# Altium PCB UAVPoS_V2_0.PcbDoc (part 2 of 3) (continued)
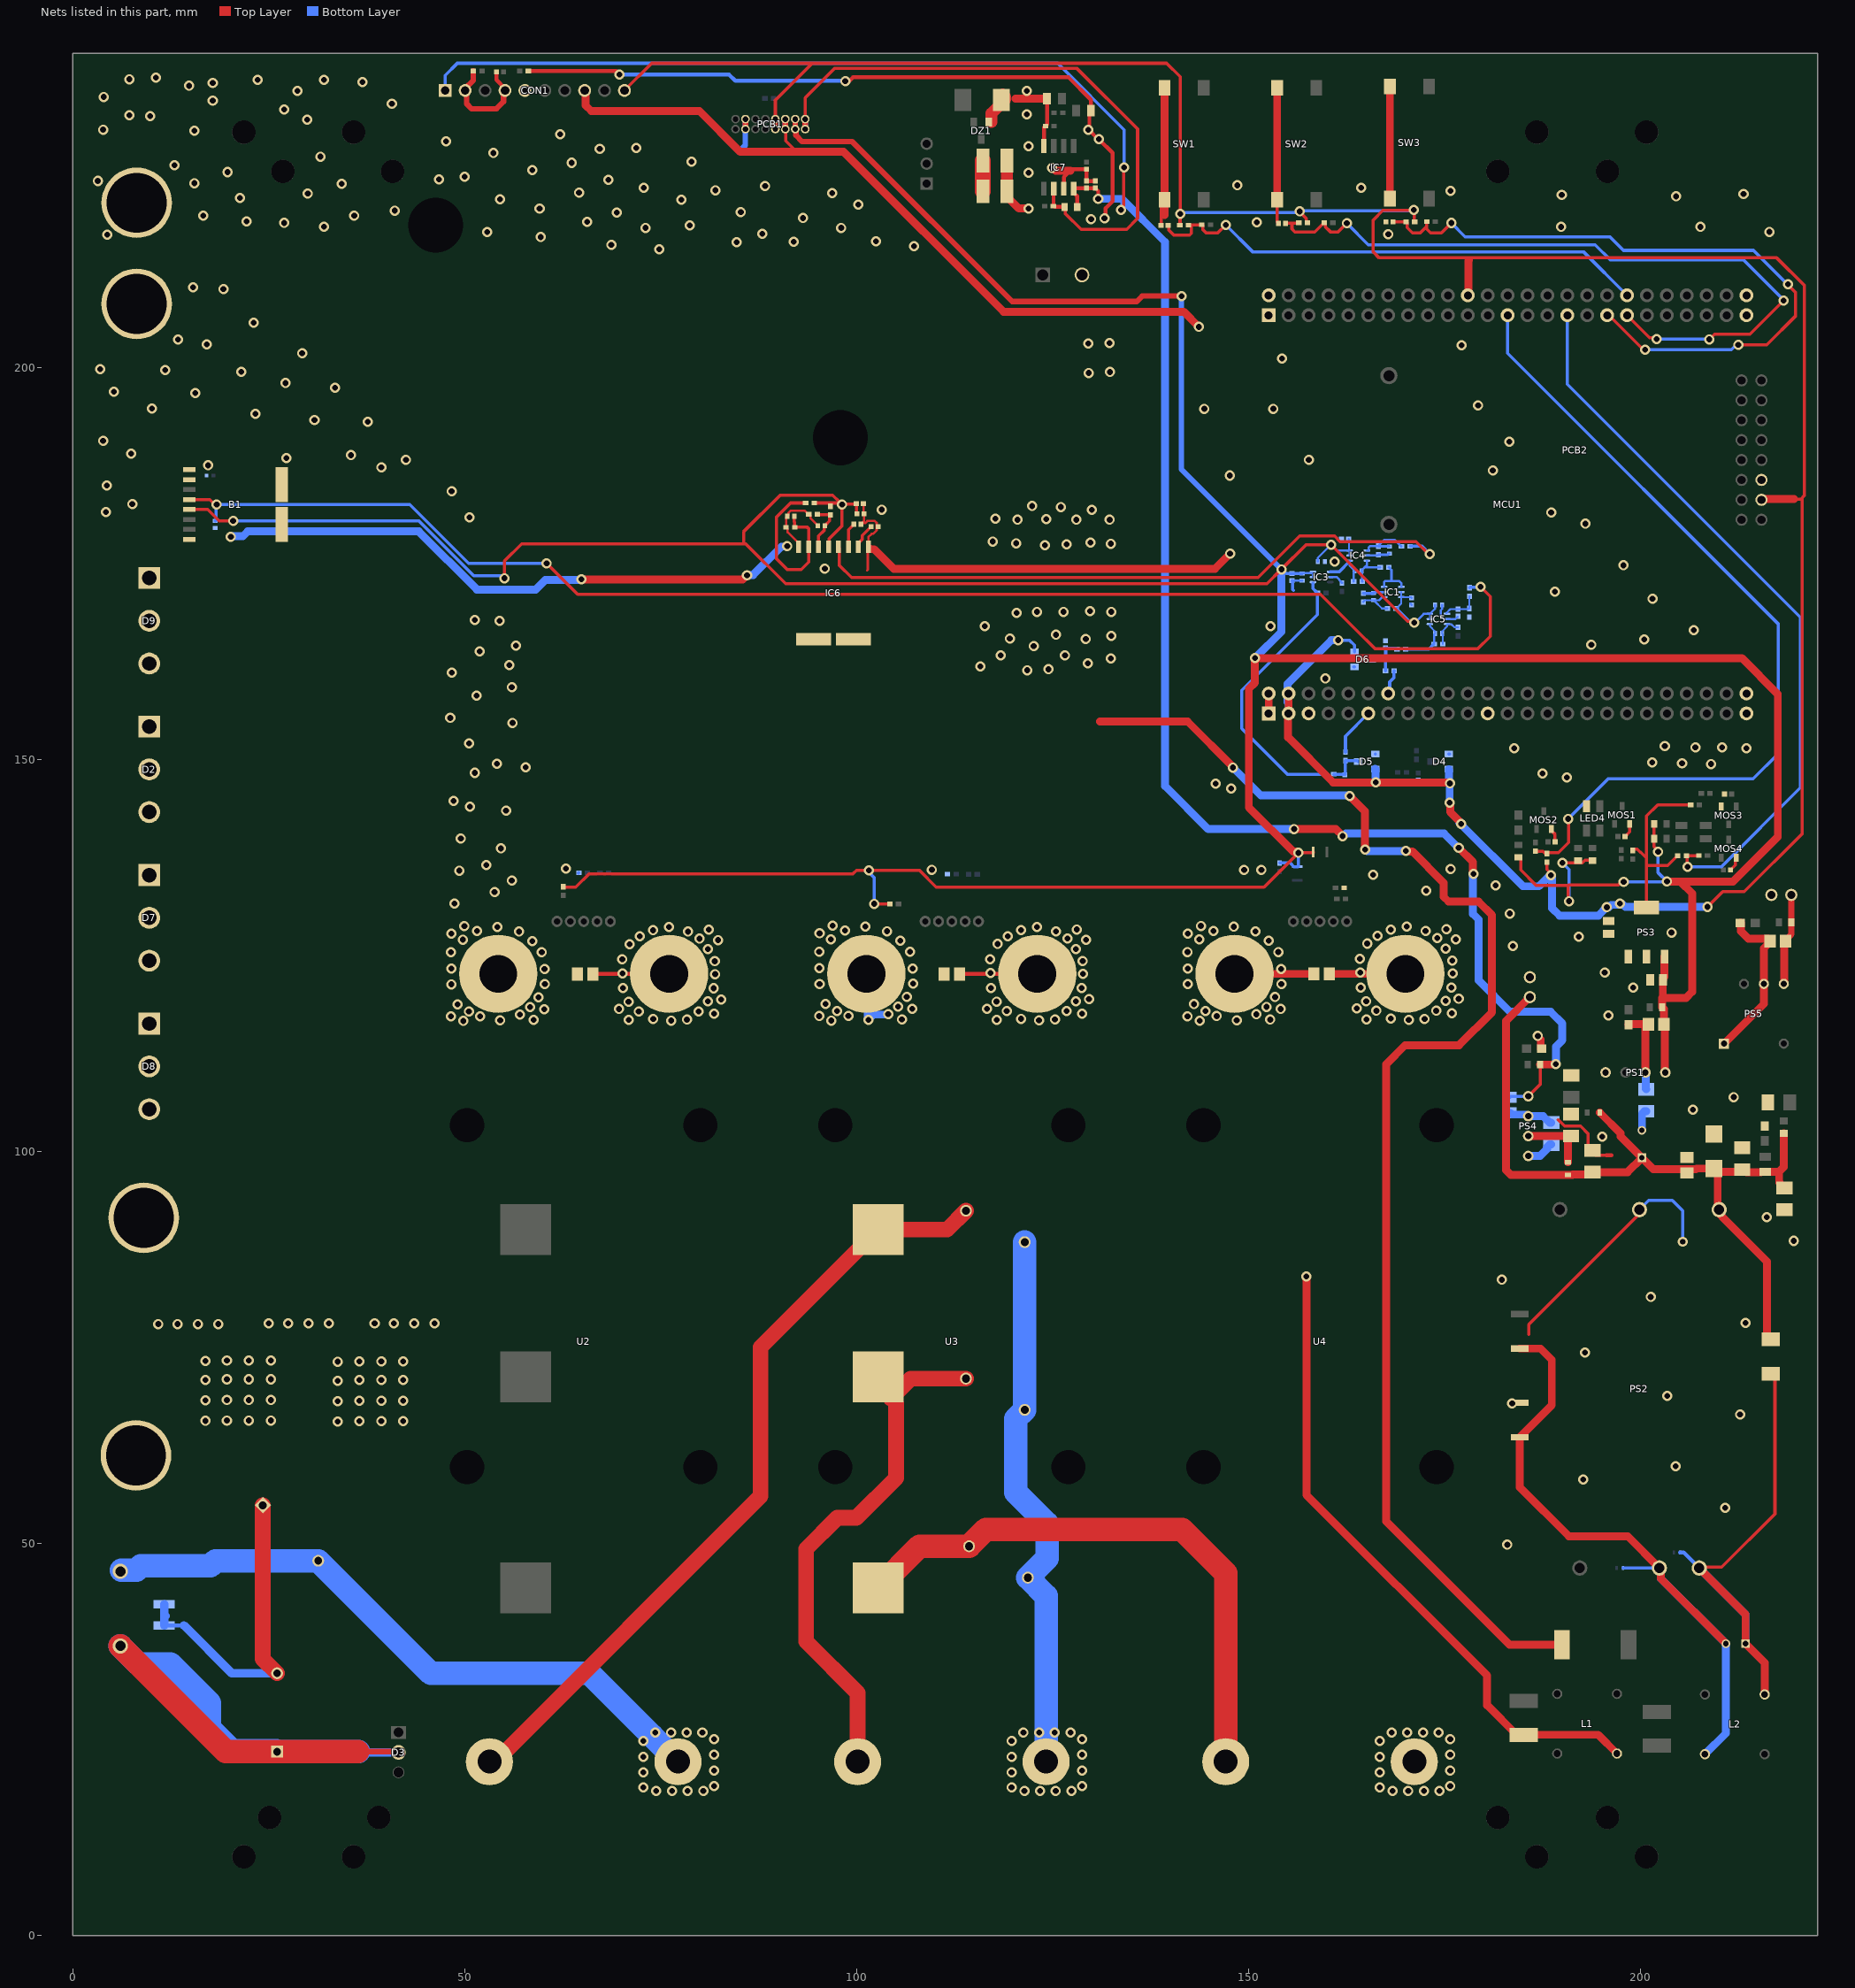
[diagram p2: the nets of this part, all layers, seen from the top]
## Nets (pads, with @x,y where several pads share a name; then routed paths per layer and width w, separated by ;. In a path a pad name is that pad's centre, name@x,y a point inside that pad or via, vN(x,y) a via of type N, cw(c..) or ccw(c..) an arc to the next point about the centre after c; other vN are vias at no path point)
1.5V: IC1.3 IC1.4 R32.1 | length 5.4
  Bottom Layer w0.3: IC1.3@167.25,171.997 167.25,172.572 167.426,172.747 168.2,172.747 ; R32.1@167.85,174.5 167.9,174.5 168.05,174.35 168.05,174.3 168.2,174.15 168.2,172.747 ; IC1.4@169.45,171.997 169.475,171.997 169.475,172.447 169.175,172.747 168.2,172.747
48V_BUS: B1.2 C47.1 C48.1 F4.1 IC6.5 J1.1 R25.2 R56.2 R62.2 | length 274.8
  Top Layer w0.5: R25.2@58.05,237.8 69.3,237.8 69.6,237.5 69.6,237.425 v1(69.675,237.35) ; v1(98.5,236.5) 99,236.5 99.5,237 127,237 129.85,234.15 R56.2@129.85,232.775 129.653,232.578 129.653,230.453 v1(129.5,230.3) 129.587,230.3 130.787,229.1 v1(130.875,229.1) 132.6,227.375 132.6,221.2 131.728,220.328 131.728,219.153 v1(131.575,219)
  Top Layer w1: 130.975,154.825 142.175,154.825 v1@148.025,148.975 ; v1(162.85,145.325) 164.825,143.35 v1(164.825,138.5) ; v1(170.025,138.3) 170.082,138.243 170.857,138.243 174.85,134.25 174.85,132.475 175.475,131.85 179.3,131.85 181.025,130.125 181.025,117.725 176.825,113.525 169.95,113.525 167.525,111.1 167.525,52.775 183.275,37.025 F4.1@189.95,37.025
  Top Layer w2: C48.1@116.06,222.475 C47.1@116.06,226.375
  Bottom Layer w0.5: v1(69.675,237.35) 83.662,237.35 84.458,236.554 98.446,236.554 v1(98.5,236.5)
  Bottom Layer w1: v1(147.975,148.95) 151.525,145.4 162.675,145.4 v1@162.725,145.35 ; v1(164.825,138.5) 164.906,138.5 165.106,138.3 v1(170.025,138.3)
  other v1: 121.718,161.362 124.436,161.488 115.743,161.837 129.468,162.237 132.376,162.845 118.328,163.252 126.54,163.252 122.543,164.462 129.193,165.362 119.493,165.412 132.443,165.762 125.393,165.887 116.293,166.987 120.364,168.682 122.943,168.812 126.343,168.812 132.443,168.812 129.718,168.887 123.968,177.312 126.743,177.437 132.376,177.504 120.293,177.562 129.797,177.64 117.318,177.787 120.493,180.562 127.968,180.562 132.243,180.562 124.168,180.637 117.643,180.687 50.55,180.85 4.178,181.553 129.943,181.837 125.993,182.187 122.343,182.312 7.525,182.575 48.275,184.2 4.275,184.925 39.3,187.25 42.45,188.2 27.2,188.425 35.45,188.8 7.375,189 3.8,190.625 37.575,193.05 30.775,193.275 23.225,194.075 10.05,194.75 15.575,196.725 5.2,196.875 33.4,197.4 27.075,198 129.568,199.287 132.293,199.412 21.425,199.45 11.725,199.675 3.45,199.775 29.2,201.8 17.05,202.925 129.493,203.062 132.218,203.112 13.35,203.55 23,205.7 19.15,210 15.3,210.2 129.875,218.9
+3V3: C6.1 CON1.10 D4.2 D5.2 D6.2 MCU1.3 MCU1.4 MCU1.72 PCB1.5 PCB1.13 PCB2.7 PS3.2 R3.2 R4.2 R5.2 R48.2 R50.2 R51.2 R52.2 | length 424.5
  Top Layer w0.4: CON1.10@70.325,235.325 73.8,238.8 94.3,238.8 ; PCB1.13@89.579,231.67 89.579,234.079 94.3,238.8 ; R3.2@141.2,218.15 141.221,218.171 141.221,219.579 v1(141.242,219.6) 141.242,237.058 139.5,238.8 94.3,238.8 ; v1(156.475,219.9) 156.475,219.832 157.325,218.982 157.325,218.55 157.425,218.45 R4.2@157.475,218.45 ; R5.2@171.15,218.55 171.1,218.6 171.1,220.025 v1(171.05,220.075) 171,220.025 167.108,220.025 165.85,218.767 165.85,214.75 166.625,213.975 178,213.975 217.35,213.975 220.9,210.425 220.9,183.675 220.425,183.2 ; R50.2@188.05,136.875 188.05,135.925 188.525,135.45 v1(188.525,135.225) ; R48.2@198.975,138.375 198.975,138.425 199.075,138.525 199.55,138.525 199.925,138.15 200,138.15 200.73,137.42 ; PS3.2@200.73,131.1 200.73,136.45 ; R52.2@204.725,137.7 204.675,137.7 203.425,136.45 200.73,136.45 ; R51.2@206.375,144.2 202.175,144.2 200.73,142.755 200.73,137.42 ; v1(208.525,131.175) 210.471,133.121 213.221,133.121 220.575,140.475 220.575,183.2 219.575,183.2 ; 200.73,136.45 200.73,137.42
  Top Layer w0.7: PCB1.5@89.579,230.4 PCB1.13@89.579,231.67
  Top Layer w1: MCU1.4@155.075,158.39 MCU1.3@155.075,155.85 155,155.775 155,152.8 160.75,147.05 v1(166.175,147.05) 175.444,147.05 175.569,146.925 v1(175.65,146.925) ; v1(175.625,144.45) 175.682,144.393 175.682,143.274 177.1,141.856 v1(177.1,141.775) ; MCU1.72@177.935,209.19 178,209.255 178,213.6 178.075,213.675 ; PCB2.7@215.407,183.105 215.501,183.2 219.575,183.2
  Bottom Layer w0.4: v1(141.242,219.6) 141.392,219.75 156.325,219.75 v1(156.475,219.9) 156.562,219.987 170.962,219.987 v1(171.05,220.075) ; v1(161.4,165.2) 162.825,165.2 163.475,164.55 D6.2@163.475,163.7
  Bottom Layer w0.7: PCB1.5@89.579,230.4 PCB1.13@89.579,231.67
  Bottom Layer w1: 154.954,157.294 154.954,159.629 ; MCU1.4@154.954,158.39 154.954,159.629 ; MCU1.3@155.075,155.85 MCU1.4@155.075,158.39 ; 155.075,157.294 MCU1.4@155.075,158.39 ; MCU1.4@155.129,158.444 MCU1.4@155.075,158.39 ; v1(161.4,165.2) 160.525,165.2 154.954,159.629 ; D5.2@166.125,148.775 166.15,148.75 166.15,147.075 v1(166.175,147.05) ; D4.2@175.5,148.75 175.55,148.7 175.55,147.106 175.625,147.031 v1(175.625,144.45) ; v1@176.841,141.934 v1@177,141.775 ; v1(177.1,141.775) v1@177,141.775 ; v1(208.525,131.175) 198.019,131.175 197.594,131.6 v1(197.35,131.6) 197.178,131.428 196.221,131.428 195.919,131.125 v1(195.675,131.125) 194.6,130.05 189.65,130.05 188.675,131.025 188.675,135.075 v1(188.525,135.225) 188.444,135.225 187.019,133.8 184.975,133.8 v1@177,141.775
+5: B1.7 C2.1 C5.1 C17.1 C20.1 C23.1 C24.1 C25.1 C49.1 C50.1 C51.1 IC1.5 IC1.6 IC3.5 IC3.6 IC4.5 IC4.6 IC5.5 IC5.6 IC6.13 PCB1.7 PCB1.15 PS1.4 PS3.3 R1.2 R8.2 R10.2 R13.2 R20.1 R22.1 R24.2 R43.2 R44.2 R45.2 R46.2 R47.2 R67.1 R68.1 | length 654.5
  Top Layer w0.4: B1.7@14.805,181.865 17.135,181.865 18.6,180.4 20.367,180.4 v1(20.393,180.426) ; v1(55,173.1) 55,175.3 57.2,177.5 85.525,177.5 ; R8.2@62.525,133.75 62.566,133.709 64.059,133.709 64.1,133.668 65.832,135.4 99.5,135.4 99.918,135.818 v1(101.525,135.818) 107.982,135.818 110.1,133.7 151.937,133.7 v1(156.3,138.063) ; R20.1@94.55,182.7 v1@97.656,182.7 ; IC6.13@96.365,177.095 96.462,177.192 96.462,178.162 98.1,179.8 v1(98.1,182.5) 97.778,182.822 96.9,183.7 90.2,183.7 85.525,179.025 85.525,177.5 ; v1@97.969,182.387 v1@97.987,182.387 ; v1@98.15,182.55 99.85,182.55 C49.1@99.9,182.6 99.95,182.55 99.95,181.368 C17.1@100,181.318 ; v1(102.2,131.568) 102.209,131.559 104.191,131.559 R10.2@104.2,131.55 ; v1@156.128,138.235 v1(156.3,138.063) ; R68.1@158.225,138.163 158.225,138.088 158.2,138.063 v1(156.3,138.063) ; v1(171.103,167.425) 170.931,167.597 170.253,167.597 v1(160.475,177.375) 157.296,177.375 v1(154.152,174.231) 152.321,172.4 90.9,172.4 85.8,177.5 85.525,177.5 ; R47.2@184.4,137.475 184.5,137.475 184.7,137.275 184.7,135.875 186.65,133.925 190.75,133.925 ; v1(190,136.8) 192.55,136.8 192.875,137.125 R43.2@193.85,137.125 ; v1(190.85,131.9) 190.75,132 190.75,133.925 ; v1(197.825,134.375) 197.581,134.375 197.156,133.95 190.775,133.95 190.75,133.925 ; R46.2@201.7,141.75 R45.2@201.7,139.85 201.7,138.854 202.225,138.329 v1(202.225,138.204)
  Top Layer w0.7: PCB1.15@92.119,231.67 PCB1.7@92.119,230.4 92.195,230.323 92.195,229.605 93,228.8 99.4,228.8 119.8,208.4 135.7,208.4 136.4,209.1 v1(141.4,209.1)
  Top Layer w1: v1@156.128,138.235 155.632,138.235 150,143.867 150,159 150.775,159.775 v1(150.775,162.9) 212.9,162.9 217.5,158.3 217.5,140.1 211.8,134.4 205.1,134.4 v1(203.35,134.4) ; PS3.3@203.03,124.8 203.03,122.27 202.835,122.075 C5.1@202.835,121.85 202.825,121.84 202.825,119.615 202.75,119.54 ; PS1.4@203.136,110.05 203.069,110.117 203.069,116.089 C2.1@202.955,116.203 202.955,118.145 R1.2@202.75,118.35 202.75,119.54 ; 205.1,134.375 206.575,132.9 206.575,120.35 205.765,119.54 202.75,119.54
  Bottom Layer w0.254: C50.1@156.802,173.7 156.852,173.75 158.177,173.75 IC3.5@158.177,173.25 ; C25.1@158.802,175.225 158.802,175.702 v1(160.475,177.375) ; v1@160.476,177.375 161.21,176.641 162.841,176.641 IC4.6@162.85,176.65 ; C51.1@162.725,178.117 162.788,178.054 162.788,176.671 162.809,176.65 IC4.6@162.85,176.65 ; IC4.5@162.85,176 IC4.6@162.85,176.65 ; R24.2@168.8,169.247 168.85,169.247 169.45,169.847 IC1.6@169.45,170.697 ; IC1.5@169.45,171.347 IC1.6@169.45,170.697 ; C20.1@170.775,170.597 170.684,170.688 169.459,170.688 IC1.6@169.45,170.697 ; IC5.5@173.103,167.9 IC5.6@173.103,168.55 173.753,169.2
  Bottom Layer w0.3: v1@171.004,167.234 172.32,168.55 IC5.6@173.103,168.55 ; 173.753,169.2 C24.1@173.753,169.7
  Bottom Layer w0.4: v1(20.393,180.426) 20.419,180.4 44.099,180.4 51.099,173.4 54.7,173.4 v1(55,173.1) ; v1(101.525,135.818) 101.525,135.574 102.2,134.899 v1(102.2,131.568) ; R13.2@153.925,136.775 155.275,136.775 155.75,136.3 R67.1@156.2,136.3 156.275,136.3 156.3,136.325 v1(156.3,138.063) ; v1@154.271,174.231 154.802,173.7 C23.1@155.502,173.7 C50.1@156.802,173.7 ; R24.2@168.85,169.247 v1@170.5,167.597 ; v1@170.931,167.597 v1(171.103,167.425) ; v1(190,136.8) 190.85,135.95 v1(190.85,131.9) ; v1(197.825,134.375) 197.837,134.387 203.337,134.387 v1(203.35,134.4) 202.225,135.525 v1(202.225,138.204)
  Bottom Layer w0.7: PCB1.7@92.119,230.4 PCB1.15@92.119,231.67 ; v1(141.4,209.1) 141.4,186.983 v1(154.152,174.231) v1@154.271,174.231
  Bottom Layer w1: v1(150.775,162.9) 154.152,166.277 v1(154.152,174.231)
+5_V48: C14.1 C45.2 C46.1 CON1.1 IC7.8 PS4.4 R19.2 R57.2 | length 278.1
  Top Layer w0.254: IC7.8@127.721,222.209 IC7.8@127.721,222.875
  Top Layer w0.4: C46.1@130.4,222.875 130.778,222.496 v1(130.778,221.5) ; v1(133.675,220.1) 133.675,220.344 134,220.669 134,225.4 v1(134.1,225.5) ; PS4.4@185.651,107.014 187.173,108.536 R19.2@187.173,111.048
  Top Layer w0.5: IC7.8@127.721,222.209 128.1,221.83 R57.2@128.1,220.475 ; IC7.8@127.721,222.875 C45.2@129.3,222.875 C46.1@130.4,222.875
  Top Layer w1: v1(155.775,141.1) 161.1,141.1 v1@162,140.2 ; v1(176.775,138.718) 178.593,136.9 178.593,135.425 v1(178.65,135.368) ; R19.2@187.173,111.048 189.123,111.048 v1(189.175,111.1)
  Bottom Layer w0.254: v1(130.778,221.5) v1@130.803,221.525
  Bottom Layer w0.4: CON1.1@47.465,235.325 47.465,237.265 49,238.8 125.6,238.8 134.1,230.3 v1(134.1,225.5) ; v1(133.675,220.1) 133.8,220.225 133.8,221.5 ; C14.1@183.35,106.875 183.489,107.014 PS4.4@185.651,107.014
  Bottom Layer w1: v1(130.778,221.5) 133.8,221.5 139.3,216 139.3,146.6 144.8,141.1 v1(155.775,141.1) ; v1(161.975,140.2) 162.056,140.2 162.381,140.525 174.912,140.525 176.719,138.718 v1(176.775,138.718) ; v1@178.596,135.368 178.596,130.267 179.325,129.538 179.325,121.775 183.3,117.8 188.5,117.8 190,116.3 190,114.153 189.175,113.328 v1(189.175,111.1)
+9V: C60.1 CON3.1 PS5.5 R70.2 | length 11.8
  Top Layer w0.8: C60.1@218.48,126.8 218.48,126.91 219.225,127.655 R70.2@219.225,129.2 219.225,132.69 CON3.1@219.215,132.7
  Top Layer w1: PS5.5@218.255,121.347 218.312,121.405 218.312,126.632 C60.1@218.48,126.8
+12: C1.1 C3.1 C4.1 C35.2 C41.1 C59.1 CON2.1 D1.1 L3.1 L4.1 L5.1 PS2.4 R2.2 | length 100.1
  Top Layer w1: CON2.1@185.85,119.66 182.825,116.635 182.825,97.57 183.411,96.984 L3.1@190.7,96.984 191.289,96.984 191.32,97.015 193.54,97.015 C1.1@193.85,97.325 198.317,97.325 C4.1@200.156,99.164 ; L4.1@194.782,104.934 197.444,102.272 197.444,101.876 C4.1@200.156,99.164 ; C41.1@212.956,97.375 209.896,97.375 D1.1@209.823,97.302 ; C41.1@212.956,97.651 213.176,97.651 213.502,97.325 215.307,97.325 215.357,97.375 R2.2@215.875,97.375 217.664,97.375 ; C35.2@216.578,76.025 216.475,76.025 216.1,76.4 216.1,85.919 210.33,91.689 210.33,91.762 210.077,92.014 210.005,92.014 PS2.4@210.005,92.545 209.823,92.727 D1.1@209.823,97.302 ; L5.1@218.25,102.275 218.25,97.961 217.664,97.375 ; C59.1@218.35,95.325 218.13,95.325 217.82,95.635 217.82,95.855 217.664,96.011 217.664,97.375 ; C4.1@200.156,99.164 201.595,97.726 207.036,97.726 207.11,97.8 D1.1@209.325,97.8 D1.1@209.823,97.302
+800V: C10.1 CON9.1 D3.2 R15.2 | length 87.1
  Top Layer w0.7: 36.3,23.4 D3.2@41.4,23.4
  Top Layer w1: D3.2@41.4,23.4 D3.2@41.5,23.3
  Top Layer w3: CON9.1@6,36.88 19.48,23.4 C10.1@26,23.4 36.3,23.4
  Bottom Layer w1.1: C10.1@25.9,23.5 C10.1@26,23.4 ; 33.4,23.3 D3.2@41.5,23.3
  Bottom Layer w3: CON9.1@6,36.88 8.28,34.6 R15.2@11.6,34.6 12.375,34.6 17.387,29.587 17.387,26.387 20.275,23.5 C10.1@25.9,23.5 ; C10.1@26,23.4 36.4,23.4
+BAT48: D2.1 D2.3 D7.1 D7.3 D8.1 D8.3 D9.1 D9.3 J3.1
B_LEFT: C7.1 MCU1.88 R3.1 R64.1 | length 65.5
  Top Layer w0.4: C7.1@139.7,218.125 139.784,218.041 139.784,217.516 140.425,216.875 142.441,216.875 142.675,217.109 142.675,218.175 143.975,218.175 R64.1@144,218.2 144.05,218.2 144.15,218.1 144.15,217.55 144.55,217.15 146.025,217.15 v1(147.05,218.175)
  Bottom Layer w0.4: v1(147.05,218.175) 150.475,214.75 192.695,214.75 MCU1.88@198.255,209.19
B_OK: C8.1 MCU1.87 R4.1 R65.1 | length 94.5
  Top Layer w0.4: C8.1@154.675,218.375 154.713,218.412 155.5,218.412 ; R4.1@156.375,218.45 156.337,218.412 155.5,218.412 ; v1(162.5,218.4) 161.391,217.291 160.409,217.291 159.775,217.925 159.775,218.35 159.675,218.45 R65.1@159.625,218.45 159.575,218.45 158.4,217.275 155.875,217.275 155.5,217.65 155.5,218.412 ; MCU1.87@198.255,206.65 201.108,203.797 201.878,203.797 v1(202.05,203.625) ; v1(208.75,203.575) 208.759,203.575 209.434,204.25 213.95,204.25 v1(218.225,208.525)
  Bottom Layer w0.4: v1(162.5,218.4) 165.25,215.65 194.2,215.65 196.125,213.725 213.125,213.725 v1@218.3,208.55 ; v1(202.05,203.625) 202.075,203.6 208.725,203.6 v1(208.75,203.575)
B_RIGHT: C9.1 MCU1.85 R5.1 R66.1 | length 88.5
  Top Layer w0.4: C9.1@168.4,218.575 168.413,218.562 170.037,218.562 R5.1@170.05,218.55 170.1,218.55 170.2,218.45 170.2,217.825 170.875,217.15 171.866,217.15 172.659,217.943 ; R66.1@172.698,218.602 172.698,217.677 173.209,217.166 174.566,217.166 v1(175.825,218.425) ; MCU1.85@195.715,206.65 195.932,206.65 200.332,202.25 v1(200.55,202.25) ; v1(212.45,202.875) 216.075,202.875 219.775,206.575 219.775,209.55 218.8,210.525 v1(218.8,210.625)
  Bottom Layer w0.4: v1(175.825,218.425) 177.6,216.65 196.075,216.65 197.8,214.925 214.4,214.925 v1@218.627,210.698 ; v1(200.55,202.25) 211.581,202.25 212.206,202.875 v1(212.45,202.875)
BCM1+: F1.2 M1.1 U2.1 | length 101
  Top Layer w1.1: U2.1@53.096,22.115 U2.1@53.815,22.115
  Top Layer w2: U2.1@53.815,22.115 87.7,56 87.7,75 F1.2@102.7,90 111.5,90 M1.1@113.9,92.4
BCM2+: F2.2 M2.1 U3.1 | length 67.9
  Top Layer w1.1: F2.2@102.7,68.8 103.975,68.8 105,67.775
  Top Layer w2: U3.1@100.071,22.115 100.071,30.879 93.5,37.45 93.5,49.25 97.479,53.229 99.905,53.229 105,58.324 105,67.775 ; F2.2@104.313,68.462 106.85,71 M2.1@113.9,71
BCM3+: F3.2 M3.1 U4.1 | length 73.8
  Top Layer w3: F3.2@102.7,44.3 108,49.6 M3.1@114.3,49.6 116.45,51.75 141.468,51.75 147.046,46.173 U4.1@147.046,22.115
BCM_LO+: C56.1 C57.1 C58.1 IC6.1 U2.3 U3.3 U4.3 | length 18.9
  Top Layer w1: U4.3@148.17,122.631 148.173,122.628 158.297,122.628 C56.1@158.3,122.625
  Bottom Layer w1: U3.3@101.195,122.631 101.393,122.433 101.393,116.797 101.433,116.797 102.069,117.433 103.918,117.433 v1(103.975,117.49)
  other v1: 49.75,116.615 143.725,116.64 96.725,116.665 54.475,116.69 148.45,116.715 101.45,116.74 58.75,116.765 152.725,116.79 105.725,116.815 48.2,117.19 51.925,117.215 142.175,117.215 95.175,117.24 145.9,117.24 98.9,117.265 57,117.44 150.975,117.465 50.475,117.84 144.45,117.865 97.45,117.89 60.075,118.115 154.05,118.14 107.05,118.165 58.275,118.39 152.25,118.415 105.25,118.44 49.025,118.74 143,118.765 96,118.79 59.375,119.64 153.35,119.665 106.35,119.69 48.25,121.29 60.175,121.315 142.225,121.315 95.225,121.34 154.15,121.34 107.15,121.365 60.125,123.24 154.1,123.265 48.225,123.29 107.1,123.29 142.2,123.315 95.2,123.34 48.2,125.39 59.775,125.39 142.175,125.415 153.75,125.415 95.175,125.44 106.75,125.44 58.55,126.815 152.525,126.84 105.525,126.865 49.7,126.99 143.675,127.015 96.675,127.04 48.25,127.74 142.225,127.765 95.225,127.79 56.875,128.015 150.85,128.04 103.85,128.065 51.5,128.09 145.475,128.115 98.475,128.14 54.1,128.615 148.075,128.64 101.075,128.665 49.9,128.715 143.875,128.74 96.875,128.765 48.625,131.6 53.75,133.075 55.95,134.533 49.25,135.8 52.7,136.525 54.575,138.625 49.45,139.875 55.216,143.442 50.604,143.966 48.508,144.7 51.225,148.275 57.725,149 54.063,149.417 50.499,152.037 56.05,154.65 48.1,155.275 51.45,158.125 55.95,159.175 48.3,161.05 55.625,162 51.85,163.775 56.475,164.5 54.375,167.65 51.233,167.759
Current_Bat: C34.1 D6.3 R39.2 R42.1 | length 6.3
  Bottom Layer w0.4: D6.3@165.675,162.75 167.225,162.75 167.425,162.55 ; R42.1@167.425,161.3 167.425,162.55 ; C34.1@167.45,164.22 167.52,164.15 168.8,164.15 R39.2@168.9,164.05 ; C34.1@167.45,164.225 167.462,164.212 167.462,163 167.425,162.963 167.425,162.55
Current_Bat_prot: MCU1.14 R42.2 | length 3.4
  Bottom Layer w0.4: MCU1.14@167.712,158.453 MCU1.14@167.775,158.39 167.973,158.588 167.973,159.879 168.494,160.4 168.494,161.268 R42.2@168.525,161.3 R42.2@168.575,161.3
Current_BCM: C33.1 D5.3 R38.2 R41.1 | length 4.9
  Bottom Layer w0.4: R38.2@160.825,148.1 160.863,148.063 162.275,148.063 162.281,148.069 162.281,149.781 R41.1@162.325,149.825 163.825,149.825 D5.3@163.925,149.725
Current_BCM_prot: MCU1.11 R41.2 | length 6.1
  Bottom Layer w0.4: R41.2@162.325,150.925 162.325,152.94 MCU1.11@165.235,155.85
Diode_Cathode: B1.1 D2.2 D7.2 D8.2 D9.2
drive_in: IC7.6 PCB1.8 PCB1.16 R57.1 R61.1 | length 79.1
  Top Layer w0.4: PCB1.16@93.389,231.67 93.389,234.389 97.13,238.13 128.07,238.13 135.8,230.4 135.8,219 134.4,217.6 128.6,217.6 126.6,219.6 126.6,220.375 R57.1@126.5,220.475
  Top Layer w0.5: IC7.6@125.113,222.807 125.081,222.776 125.081,220.606 R61.1@125.05,220.575 125.1,220.575 125.2,220.475 R57.1@126.5,220.475
  Top Layer w0.7: PCB1.8@93.389,230.4 PCB1.16@93.389,231.67
  Bottom Layer w0.7: PCB1.8@93.389,230.4 PCB1.16@93.389,231.67
Gen_Failure: MCU1.81 R52.1 R54.1 | length 94.2
  Top Layer w0.4: v1(205.975,136.3) 205.9,136.375 205.9,137.625 R52.1@205.825,137.7 205.838,137.712 207.413,137.712 R54.1@207.425,137.725
  Bottom Layer w0.4: MCU1.81@190.635,206.65 190.635,197.865 220.375,168.125 220.375,146.375 210.3,136.3 v1(205.975,136.3)
Gen_Purpose: MCU1.75 R50.1 R53.2 | length 108.4
  Top Layer w0.4: R53.2@186.55,138.25 R53.2@186.575,138.275 187.525,138.275 R50.1@187.938,137.863 ; R50.1@188.05,137.975 188.15,138.075 189.5,138.075 190.8,139.375 190.8,142.35 v1(190.75,142.4)
  Bottom Layer w0.4: MCU1.75@183.015,206.65 183.015,201.81 217.525,167.3 217.525,150.675 214.35,147.5 195.85,147.5 v1(190.75,142.4)
GND: B1.3 B1.4 B1.10 C2.2 C5.2 C6.2 C7.2 C8.2 C9.2 C15.2 C16.2 C17.2 C18.2 C19.2 C20.2 C21.2 C22.1 C23.2 C24.2 C25.2 C26.2 C30.2 C31.2 C32.2 C33.2 C34.2 C43.2 C49.2 C50.2 C51.2 C52.2 C53.2 C54.2 C55.2 CON1.8 D4.1 D5.1 D6.1 IC1.2 IC3.2 IC4.2 IC5.2 IC6.9 IC6.16 LED1.1 LED4.4 MCU1.1 MCU1.2 MCU1.5 MCU1.23 MCU1.49 MCU1.50 MCU1.51 MCU1.52 MCU1.99 MCU1.100 MOS1.2 MOS2.2 MOS3.2 MOS4.2 PCB1.6 PCB1.14 PCB2.6 PS1.3 PS3.1 R6.2 R9.2 R12.2 R21.2 R23.2 R26.1 R28.2 R35.1 R36.1 SW1.3 SW1.4 SW2.3 SW2.4 SW3.3 SW3.4 | length 286
  Top Layer w0.3: B1.4@14.73,185.6 B1.4@14.805,185.675 ; IC6.16@92.555,177.095 92.555,177.57 91.15,178.975 91.15,179.45 91,179.6 R21.2@90.95,179.6 90.95,180.83 91.1,180.98 C15.2@91.1,181 91.25,181.15 91.25,181.441 91.533,181.724 93.276,181.724 93.3,181.7 93.352,181.7 93.8,181.252 R23.2@93.85,181.252 93.9,181.252 94.05,181.102 94.05,180.77 95,179.82 C16.2@95,179.8 ; C49.2@100.8,182.6 100.85,182.55 100.85,181.368 C17.2@100.9,181.318 100.9,180.42 C19.2@100.5,180.02 ; 101.3,174.1 101.372,174.172 101.372,177.023 IC6.9@101.445,177.095 101.445,178.34 101.876,178.771 102.066,178.771 102.497,179.202 102.497,180.177 102.26,180.413 101.325,180.413 101.082,180.17 100.65,180.17 C19.2@100.5,180.02 ; C19.2@100.5,180.02 C19.2@100.5,180 C19.2@100.5,180.02
  Top Layer w0.4: PCB1.6@90.849,230.4 90.9,230.349 90.9,228.9 92.3,227.5 ; C7.2@138.8,218.125 SW1.4@138.8,220.875 ; SW2.4@153.6,221.375 153.6,218.545 153.77,218.375 C8.2@153.775,218.375 ; MOS2.2@188.6,141.1 188.6,140.9 189.075,140.425 C55.2@189.075,139.471 ; C52.2@198,140.15 198.005,140.15 198.578,140.723 MOS1.2@198.578,141.75 ; C53.2@211.45,135.875 211.455,135.875 211.575,135.995 211.575,136 212.081,136.506 212.081,137.35 MOS4.2@212.181,137.45
  Top Layer w0.7: PCB1.6@90.849,230.4 PCB1.14@90.849,231.67
  Top Layer w1: v1(64.85,172.95) 85.425,172.95 v1@86,173.525 ; CON1.8@65.245,235.325 65.369,235.201 65.369,233.431 66.1,232.7 79.9,232.7 85.1,227.5 92.3,227.5 98.3,227.5 118.7,207.1 141.681,207.1 v1(143.616,205.165) ; IC6.9@101.625,176.915 101.625,176.8 102.2,176.8 104.7,174.3 145.675,174.3 v1(147.6,176.225) ; 139.246,219.454 SW1.4@139.246,221.375 ; MCU1.1@152.535,155.85 MCU1.2@152.535,158.39 ; LED1.1@198.45,116.143 198.45,116.178 198.475,116.203 C2.2@200.975,116.203 200.975,116.093 200.596,115.714 PS1.3@200.596,110.05
  Bottom Layer w0.254: C24.2@174.653,169.7 174.653,169.19 174.497,169.034 174.497,168.242 174.831,167.909 175.294,167.909 IC5.2@175.303,167.9 176.35,167.9 C31.2@176.65,168.2
  Bottom Layer w0.3: C23.2@155.502,172.8 C50.2@156.802,172.8 ; IC3.2@160.377,173.25 161.177,173.25 161.877,172.55 R28.2@161.877,172.5 ; IC4.2@165.05,176 166.425,176 R35.1@166.525,176.1 167.711,176.1 167.861,176.25 C30.2@167.931,176.25 ; C26.2@165.925,171.197 165.995,171.197 166.145,171.347 IC1.2@167.25,171.347 ; C20.2@170.625,169.847 C20.2@170.775,169.697
  Bottom Layer w0.4: R6.2@64.456,135.472 R6.2@64.509,135.525 ; C23.2@155.502,172.8 155.577,172.725 155.577,171.646 155.677,171.546 ; D6.1@163.35,161.8 D6.1@163.475,161.8 ; R26.1@164.601,171.172 164.613,171.185 165.912,171.185 C26.2@165.925,171.197 ; D4.1@175.5,150.65 D4.1@175.625,150.65
  Bottom Layer w0.7: PCB1.6@90.849,230.4 PCB1.14@90.849,231.67
  Bottom Layer w1: v1(20.1,178.4) 20.157,178.457 21.632,178.457 22.25,179.075 44.075,179.075 51.5,171.65 59,171.65 60.25,172.9 64.8,172.9 v1(64.85,172.95) ; v1(85.968,173.462) 86.026,173.519 86.744,173.519 90.368,177.143 91.043,177.143 v1(91.1,177.2) ; PS1.3@200.596,110.05 200.648,109.998 200.648,107.952 C43.2@200.7,107.9
  other v1: 195.875,117.3 199.05,120.875 195.4,122.775 183.675,126.175 192.1,127.375 203.925,127.9 183.275,130.325 172.625,133.218 181.5,133.9 165.835,135.261 109.555,135.911 149.4,135.9 151.6,135.9 175.758,135.985 62.863,136.06 147.75,146.275 145.775,146.9 190.575,147.7 187.475,148.2 208.975,149.4 205.275,149.5 201.475,149.6 183.875,151.4 213.475,151.4 206.975,151.5 210.375,151.5 203.075,151.7 159.75,160.3 193.7,164.6 200.45,165.275 206.775,166.475 152.748,166.975 201.5,170.475 189.05,171.4 95.9,174.3 197.8,174.75 160.925,175.225 192.925,180.05 188.575,181.5 103.15,181.85 147.55,186.2 181.127,186.85 17.2,187.5 157.65,188.2 183.25,190.5 144.321,194.716 153.126,194.716 179.25,195.125 154.241,201.114 177.135,202.817 167.8,217 216.42,217.291 189.825,217.925 207.625,217.925 151.025,218.525 204.527,221.818 189.925,222.025 213.121,222.125 175.725,222.525 164.325,222.925 148.525,223.225
GND_48: C14.2 C27.2 C36.2 C40.2 C44.2 C45.1 C46.2 C47.2 C48.2 C56.2 C57.2 C58.2 CON1.2 CON1.4 CON1.5 DZ1.2 F8.1 IC7.4 IC7.7 J2.1 J4.1 L1.3 LED3.1 PCB1.2 PCB1.10 PS4.3 R27.1 R59.1 R60.1 U2.4 U3.4 U4.4 | length 174.6
  Top Layer w0.5: C27.2@54,237.7 54,236.667 CON1.4@55.085,235.582 ; C58.2@66.3,122.6 66.331,122.631 U2.4@76.03,122.631 ; C57.2@113.1,122.6 113.131,122.631 U3.4@123.005,122.631 ; IC7.4@123.843,228.231 123.843,230.618 124,230.775 R60.1@124.05,230.775 124.1,230.775 124.15,230.825 124.15,230.875 124.25,230.975 R59.1@124.25,234.275 ; IC7.7@126.383,222.807 126.383,224.258 127.4,225.275 C44.2@129.3,225.275 C45.1@129.3,223.775 C46.2@130.4,223.775
  Top Layer w0.7: R27.1@51.05,237.8 51.05,236.627 50.005,235.582 CON1.2@50.005,235.325 50.187,235.143 50.187,233.613 50.8,233 54,233 54.903,233.903 54.903,235.143 CON1.4@55.085,235.325 CON1.4@55.085,235.582 ; PCB1.2@85.769,230.4 PCB1.10@85.769,231.67
  Top Layer w1: F8.1@118.6,235.014 F8.1@118.6,235.054 ; C48.2@119.14,222.475 119.14,221.78 120.645,220.275 v1(121.9,220.275) ; 120.21,234.275 R59.1@124.25,234.275 ; v1(124.9,225.475) 124.981,225.475 125.356,225.1 127.225,225.1 ; v1(157.35,84.025) 157.35,56.15 180.4,33.1 180.4,29.317 184.167,25.55 C36.2@185.067,25.55 194.58,25.55 L1.3@196.975,23.155 ; C56.2@160.28,122.625 160.283,122.628 164.2,122.628 169.977,122.628 U4.4@169.98,122.631 ; v1(186.875,114.7) 186.875,114.619 187.25,114.244 187.25,113.101 187.275,113.076 LED3.1@187.35,113.076
  Top Layer w1.5: DZ1.2@117.15,231.3 117.15,232.415 118.91,234.175 F8.1@118.91,234.5 ; F8.1@118.41,234.129 118.48,234.059 F8.1@118.5,234.079 ; C47.2@119.08,226.435 C47.2@119.14,226.375 C48.2@119.14,222.475
  Bottom Layer w0.7: 84.9,227.5 85.735,228.335 85.735,230.366 PCB1.2@85.769,230.4 ; PCB1.2@85.769,230.696 PCB1.10@85.769,231.67
  Bottom Layer w1: J4.1@8,61.2 J4.1@9.4,62.6 ; C14.2@183.35,104.895 183.57,104.675 185.355,104.675 185.556,104.474 187.556,104.474 188.38,103.65 C40.2@188.6,103.65
  other v1: 33.75,65.5 36.5,65.55 39.3,65.55 42.1,65.55 16.85,65.6 19.6,65.65 22.4,65.65 25.2,65.65 33.75,68.1 36.5,68.15 39.3,68.15 42.1,68.15 16.85,68.2 19.6,68.25 22.4,68.25 25.2,68.25 33.75,70.7 16.85,70.8 36.5,70.8 39.3,70.8 42.1,70.8 19.6,70.9 22.4,70.9 25.2,70.9 33.75,73.15 36.5,73.2 39.3,73.2 42.1,73.2 16.85,73.25 19.6,73.3 22.4,73.3 25.2,73.3 10.85,77.95 13.3,77.95 15.9,77.95 18.5,77.95 24.95,78.05 27.4,78.05 30,78.05 32.6,78.05 38.45,78.05 40.9,78.05 43.5,78.05 46.1,78.05 76.275,116.665 123.225,116.69 70.875,116.74 170.4,116.74 117.825,116.765 78.3,116.79 125.25,116.815 165,116.815 74,116.865 172.425,116.865 120.95,116.89 168.125,116.94 81.775,117.54 128.725,117.565 175.9,117.615 72.15,117.84 79.775,117.84 119.1,117.865 126.725,117.865 166.275,117.915 173.9,117.915 69.625,118.14 116.575,118.165 163.75,118.215 70.85,119.065 117.8,119.09 80.975,119.115 127.925,119.14 164.975,119.14 175.1,119.19 82.65,119.365 129.6,119.39 176.775,119.44 70.15,120.8 81.725,120.79 117.1,120.825 128.675,120.815 164.275,120.875 175.85,120.865 81.9,122.59 128.85,122.615 176.025,122.665 70.075,122.7 117.025,122.725 164.2,122.775 81.85,124.24 128.8,124.265 175.975,124.315 70.05,124.475 117,124.5 164.175,124.55 80.975,125.765 127.925,125.79 175.1,125.84 70.975,126.415 117.925,126.44 165.1,126.49 82.275,126.94 129.225,126.965 176.4,127.015 79.9,127.115 126.85,127.14 174.025,127.19 72.275,127.415 119.225,127.44 166.4,127.49 78.425,128.015 125.375,128.04 172.55,128.09 73.975,128.19 120.925,128.215 81.075,128.265 168.1,128.265 128.025,128.29 175.2,128.34 76,128.59 122.95,128.615 170.125,128.665 74.775,215.075 107.275,215.45 68.65,215.625 84.65,215.95 91.925,216.025 102.411,216.093 59.65,216.625 4.35,216.923 87.898,217.024 52.825,217.25 73,217.8 97.987,217.8 31.992,217.957 78.65,218.1 26.915,218.427 65.55,218.575 22.12,218.615 93.1,219.05 16.573,219.367 35.846,219.367 69.35,219.75 85.175,219.825 41,220 59.5,220.275 100.15,220.75 77.575,221.375 54.45,221.45 21.273,221.624 29.923,222.188 96.825,222.225 64.525,222.3 81.925,222.6 72.775,222.925 88.275,223.15 34.248,223.41 15.45,223.5 3.128,223.786 68.263,223.931 46.65,223.975 49.95,224.325 121.9,224.815 19.675,224.915 58.561,225.173 12.9,225.775 63.6,226.1 78.895,226.26 31.521,226.889 53.6,227.35 67.176,227.889 71.825,227.975 121.9,228.231 47.55,228.825 62.125,229.75 15.444,230.18 3.8,230.325 29.829,231.59 9.803,232.06 7.175,232.15 121.65,232.275 26.915,232.906 40.65,233.65 17.795,234.034 3.88,234.504 28.607,235.257 121.65,235.27 14.775,235.925 17.795,236.291 36.881,236.385 23.53,236.667 31.992,236.667 7.171,236.761 10.55,236.95
GND_800V: C11.2 CON9.2 M1.2 M2.2 M3.2 R16.1 U2.2 U3.2 U4.2 | length 152.7
  Bottom Layer w1.1: CON9.2@6,46.4 CON9.2@6.163,46.563
  Bottom Layer w3: CON9.2@6.163,46.563 8.063,46.563 8.6,47.1 R16.1@11.6,47.1 17.5,47.1 18.15,47.75 C11.2@31.25,47.75 45.625,33.375 65.894,33.375 73.846,25.423 U2.2@77.154,22.115 ; M1.2@121.4,88.4 M2.2@121.4,67 120.25,65.85 120.25,56.5 124.25,52.5 124.25,48.05 M3.2@121.8,45.6 124.129,43.271 124.129,25.846 U3.2@124.129,22.115
  other v1: 74.385,18.404 76.385,18.404 78.385,18.404 80.385,18.404 121.356,18.404 123.356,18.404 125.356,18.404 127.356,18.404 168.335,18.404 170.335,18.404 172.335,18.404 174.335,18.404 72.75,18.825 119.721,18.825 166.7,18.825 81.75,19 128.721,19 175.7,19 72.75,20.75 119.721,20.75 166.7,20.75 81.75,21 128.721,21 175.7,21 72.75,22.75 119.721,22.75 166.7,22.75 81.75,23 128.721,23 175.7,23 72.75,24.75 119.721,24.75 166.7,24.75 81.75,25 128.721,25 175.7,25 74.269,25.846 76.269,25.846 78.269,25.846 80.269,25.846 121.24,25.846 123.24,25.846 125.24,25.846 127.24,25.846 168.218,25.846 170.218,25.846 172.218,25.846 174.218,25.846
GND_FANS: C1.2 C3.2 C4.2 C13.2 C39.2 C40.1 C41.2 C42.2 C43.1 C59.2 C60.2 C61.2 CON2.2 CON3.2 D1.2 LED2.1 LED7.1 PS1.1 PS2.5 PS4.1 PS5.1 PS5.6 | length 69.6
  Top Layer w0.4: 185.725,76.625 185.725,77.894 199.52,91.689 199.52,91.762 199.773,92.014 199.845,92.014 PS2.5@199.845,92.545 ; 189.45,104.025 190.277,103.198 192.315,103.198 193.302,102.211 193.302,100.453 194.29,99.465 195.58,99.465
  Top Layer w0.5: 195.58,99.465 196.27,99.465
  Top Layer w1: PS5.1@210.635,113.727 215.715,118.807 PS5.6@215.715,121.347 215.715,125.905 216.5,126.69 216.5,126.91 216.28,127.13 213.735,127.13 212.8,128.065 212.8,129.1 212.775,129.125 LED7.1@212.7,129.125
  Bottom Layer w0.3: C4.2@200.156,102.664 C4.2@200.356,102.664
  Bottom Layer w0.4: PS2.5@199.845,92.545 201.02,93.72 204.03,93.72 205.35,92.4 v2(205.35,88.45)
  Bottom Layer w1: PS4.1@185.651,99.394 187.144,99.394 188.07,100.32 188.07,100.54 188.38,100.85 C40.1@188.6,100.85 ; C4.2@200.156,102.664 200.175,102.683 200.175,104.79 200.485,105.1 C43.1@200.7,105.1
  other v1: 182.975,49.8 210.775,54.5 192.675,58.1 204.475,59.8 212.675,66.4 183.597,67.84 203.375,68.8 192.875,74.3 213.375,78.1 201.275,81.4 182.275,83.6 219.512,88.565 216.075,91.6 195.075,101.875 206.675,105.3 211.875,106.9
Ibat: C29.2 IC5.4 R31.2 R39.1 | length 6.5
  Bottom Layer w0.254: IC5.4@173.103,167.25 173.103,166.969 C29.2@173.753,166.319 ; R31.2@173.653,164.7 173.653,165.95 C29.2@173.753,166.05
  Bottom Layer w0.3: R31.2@173.603,164.7 R31.2@173.653,164.7
  Bottom Layer w0.4: R39.1@170,164.05 172.953,164.05 R31.2@173.603,164.7
Ibcm: IC3.4 R30.2 R38.1 | length 35.9
  Bottom Layer w0.4: 158.202,172.45 158.177,172.45 158.177,171.777 158.602,171.352 158.602,171.302 158.702,171.202 R30.2@158.752,171.202 158.752,168.452 149.1,158.8 149.1,153.925 154.925,148.1 R38.1@159.725,148.1
IMEAS1: IC6.12 R34.1 | length 84.3
  Top Layer w0.4: IC6.12@97.635,177.095 97.755,176.975 97.755,174.745 99.3,173.2 151.2,173.2 156.479,178.479 160.932,178.479 161.636,177.775 171.325,177.775 v1@172.986,176.114
  Bottom Layer w0.4: R34.1@170.575,177.175 172.1,177.175 v1(173.075,176.2)
IMEAS2: B1.6 C22.2 R69.2 | length 184.9
  Top Layer w0.4: B1.6@14.805,183.135 17.421,183.135 18.056,182.5 v1(18.3,182.5) ; v1(60.4,175.004) 64.358,171.046 159.154,171.046 163.65,166.55 166.1,164.1 179.2,164.1 180.8,165.7 180.8,170.757 v1(179.557,172)
  Bottom Layer w0.4: C22.2@18.1,180.4 18.15,180.4 18.2,180.45 18.2,182.2 18.5,182.5 42.924,182.5 50.424,175 60.396,175 v1(60.4,175.004) ; R69.2@178.15,171.9 178.2,171.95 179.507,171.95 v1(179.557,172)
NetC10_2: C10.2 C11.1 R15.1 R16.2 | length 42
  Top Layer w2: C11.1@24.179,54.821 24.179,35.221 C10.2@26,33.4
  Bottom Layer w0.5: R15.1@11.6,39.5 14.1,39.5
  Bottom Layer w1.1: R15.1@11.6,39.5 11.6,40.85 ; R16.2@11.6,42.2 11.6,40.85 ; 11.75,40.7 11.6,40.85 ; 14.1,39.5 20.2,33.4 C10.2@26,33.4
NetC12_1: C12.1 C35.1 L2.2 PS2.1 R17.1 | length 65
  Top Layer w0.3: PS2.1@207.857,46.555 PS2.1@208.227,46.925
  Top Layer w0.4: PS2.1@208.227,46.925 210.325,46.925 217.125,53.725 C35.1@217.125,71.56
  Top Layer w1: PS2.1@207.465,46.825 213.375,40.915 C12.1@213.375,37.175 215.82,34.73 L2.2@215.82,30.695
  Bottom Layer w0.5: R17.1@205.025,48.825 205.465,48.825 PS2.1@207.465,46.825
  Bottom Layer w1: PS2.1@207.465,46.825 213.375,40.915 C12.1@213.375,37.175
NetC12_2: C12.2 C38.1 C39.1 L2.4 PS2.2 R18.2 | length 90.9
  Top Layer w1: C38.1@184.556,74.817 187.215,74.817 188.65,73.382 188.65,67.594 185.256,64.2 C39.1@184.556,63.5 184.556,57.144 190.825,50.875 198.335,50.875 PS2.2@202.385,46.825 202.567,46.643 202.567,45.483 C12.2@210.875,37.175
  Bottom Layer w0.4: R18.2@197.731,46.825 PS2.2@202.385,46.825
  Bottom Layer w1: PS2.2@202.385,46.825 202.567,46.643 202.567,45.483 C12.2@210.875,37.175 210.875,25.75 L2.4@208.2,23.075
NetC13_1: C13.1 L3.2 PS4.2 | length 8.8
  Top Layer w1: PS4.2@185.651,101.934 191.01,101.934 190.7,101.624 L3.2@190.7,98.584
NetC15_1: C15.1 IC6.15 R20.2 R21.1 | length 22.4
  Top Layer w0.4: C15.1@92,181 92,180.313 92.05,180.263 R21.1@92.05,179.6 93.652,179.6 93.825,179.427 IC6.15@93.825,177.095 93.825,175.159 92.866,174.2 91.1,174.2 89.7,175.6 89.7,180.862 91.538,182.7 R20.2@93.45,182.7
NetC16_1: C16.1 IC6.14 R22.2 R23.1 | length 6.4
  Top Layer w0.4: R23.1@94.95,181.252 94.989,181.213 96.561,181.213 R22.2@96.6,181.174 96.5,181.074 96.5,180.42 95.9,179.82 C16.1@95.9,179.8 95.8,179.7 95.8,179.195 95.095,178.49 IC6.14@95.095,177.095
NetC18_1: C18.1 IC6.10 | length 3.7
  Top Layer w0.4: IC6.10@100.175,176.62 IC6.10@100.175,177.095 100.175,177.57 100.671,178.066 100.671,178.548 101.793,179.669 C18.1@101.793,179.689
NetC19_1: C19.1 IC6.11 | length 3.2
  Top Layer w0.4: IC6.11@98.905,177.095 98.905,179.285 99.6,179.98 C19.1@99.6,180
NetC26_1: C26.1 IC1.1 R24.1 R26.2 | length 5.1
  Bottom Layer w0.254: R26.2@164.601,170.072 164.601,170.122 164.776,170.297 C26.1@165.925,170.297 C26.1@165.995,170.297 ; IC1.1@167.25,170.697 166.975,170.697 166.952,170.674 166.952,170.623 166.626,170.297 C26.1@165.995,170.297 ; R24.1@167.7,169.247 166.975,169.247 166.118,170.104 166.118,170.174 C26.1@165.995,170.297
NetC28_1: C28.1 IC4.3 R29.1 R32.2 | length 4.9
  Bottom Layer w0.3: R29.1@164.475,172.67 164.425,172.72 164.425,173.988 C28.1@164.375,174.038 164.375,174.108 164.805,174.538 164.838,174.538 ; IC4.3@165.05,175.35 165.05,174.75 164.838,174.538 ; R32.2@166.75,174.5 164.876,174.5 164.838,174.538
NetC28_2: C28.2 IC3.1 IC4.4 R29.2 | length 6
  Bottom Layer w0.3: IC4.4@162.875,175.35 162.875,174.708 163.475,174.108 163.475,173.968 163.375,173.868 R29.2@163.375,172.67
  Bottom Layer w0.4: IC3.1@160.377,173.9 161.5,173.9 IC4.4@162.875,175.275
NetC29_1: C29.1 IC5.3 R31.1 R33.1 | length 4.2
  Bottom Layer w0.254: C29.1@174.653,166.05 174.732,165.971 174.732,165.528 174.753,165.507 R31.1@174.753,164.7 ; C29.1@174.653,166.319 175.303,166.969 IC5.3@175.303,167.25 175.828,167.25 176.228,166.85 R33.1@176.703,166.85
NetC30_1: C30.1 IC4.1 R34.2 R35.2 | length 7
  Bottom Layer w0.3: IC4.1@165.05,176.65 165.287,176.65 165.287,177.024 165.463,177.2 R35.2@166.525,177.2 ; C30.1@167.931,177.15 167.906,177.175 166.55,177.175 R35.2@166.525,177.2 ; R34.2@169.475,177.175 169.425,177.175 168.6,178 167.275,178 166.525,177.25 R35.2@166.525,177.2
NetC31_1: C31.1 IC5.1 R36.2 R69.1 | length 4.7
  Bottom Layer w0.254: IC5.1@175.227,168.673 175.704,169.15 C31.1@176.703,169.15 177.952,169.15 R36.2@178.137,169.335 ; R36.2@178.125,169.25 178.137,169.262 R36.2@178.137,169.335 ; R69.1@178.15,170.8 178.137,170.787 R36.2@178.137,169.335